# Altium PCB DM1092.PcbDoc (part 3 of 5)
Units mm, origin at the board's own origin, x right, y up, seen from the top; angles counter-clockwise.
Board outline 60 x 45 mm, 6 copper layers (Layer 1, Layer 2, Layer 3, Layer 4, Layer 5, Layer 6), stack 1.599 mm thick; 208 components, 159 nets, 838 pads, 480 vias.
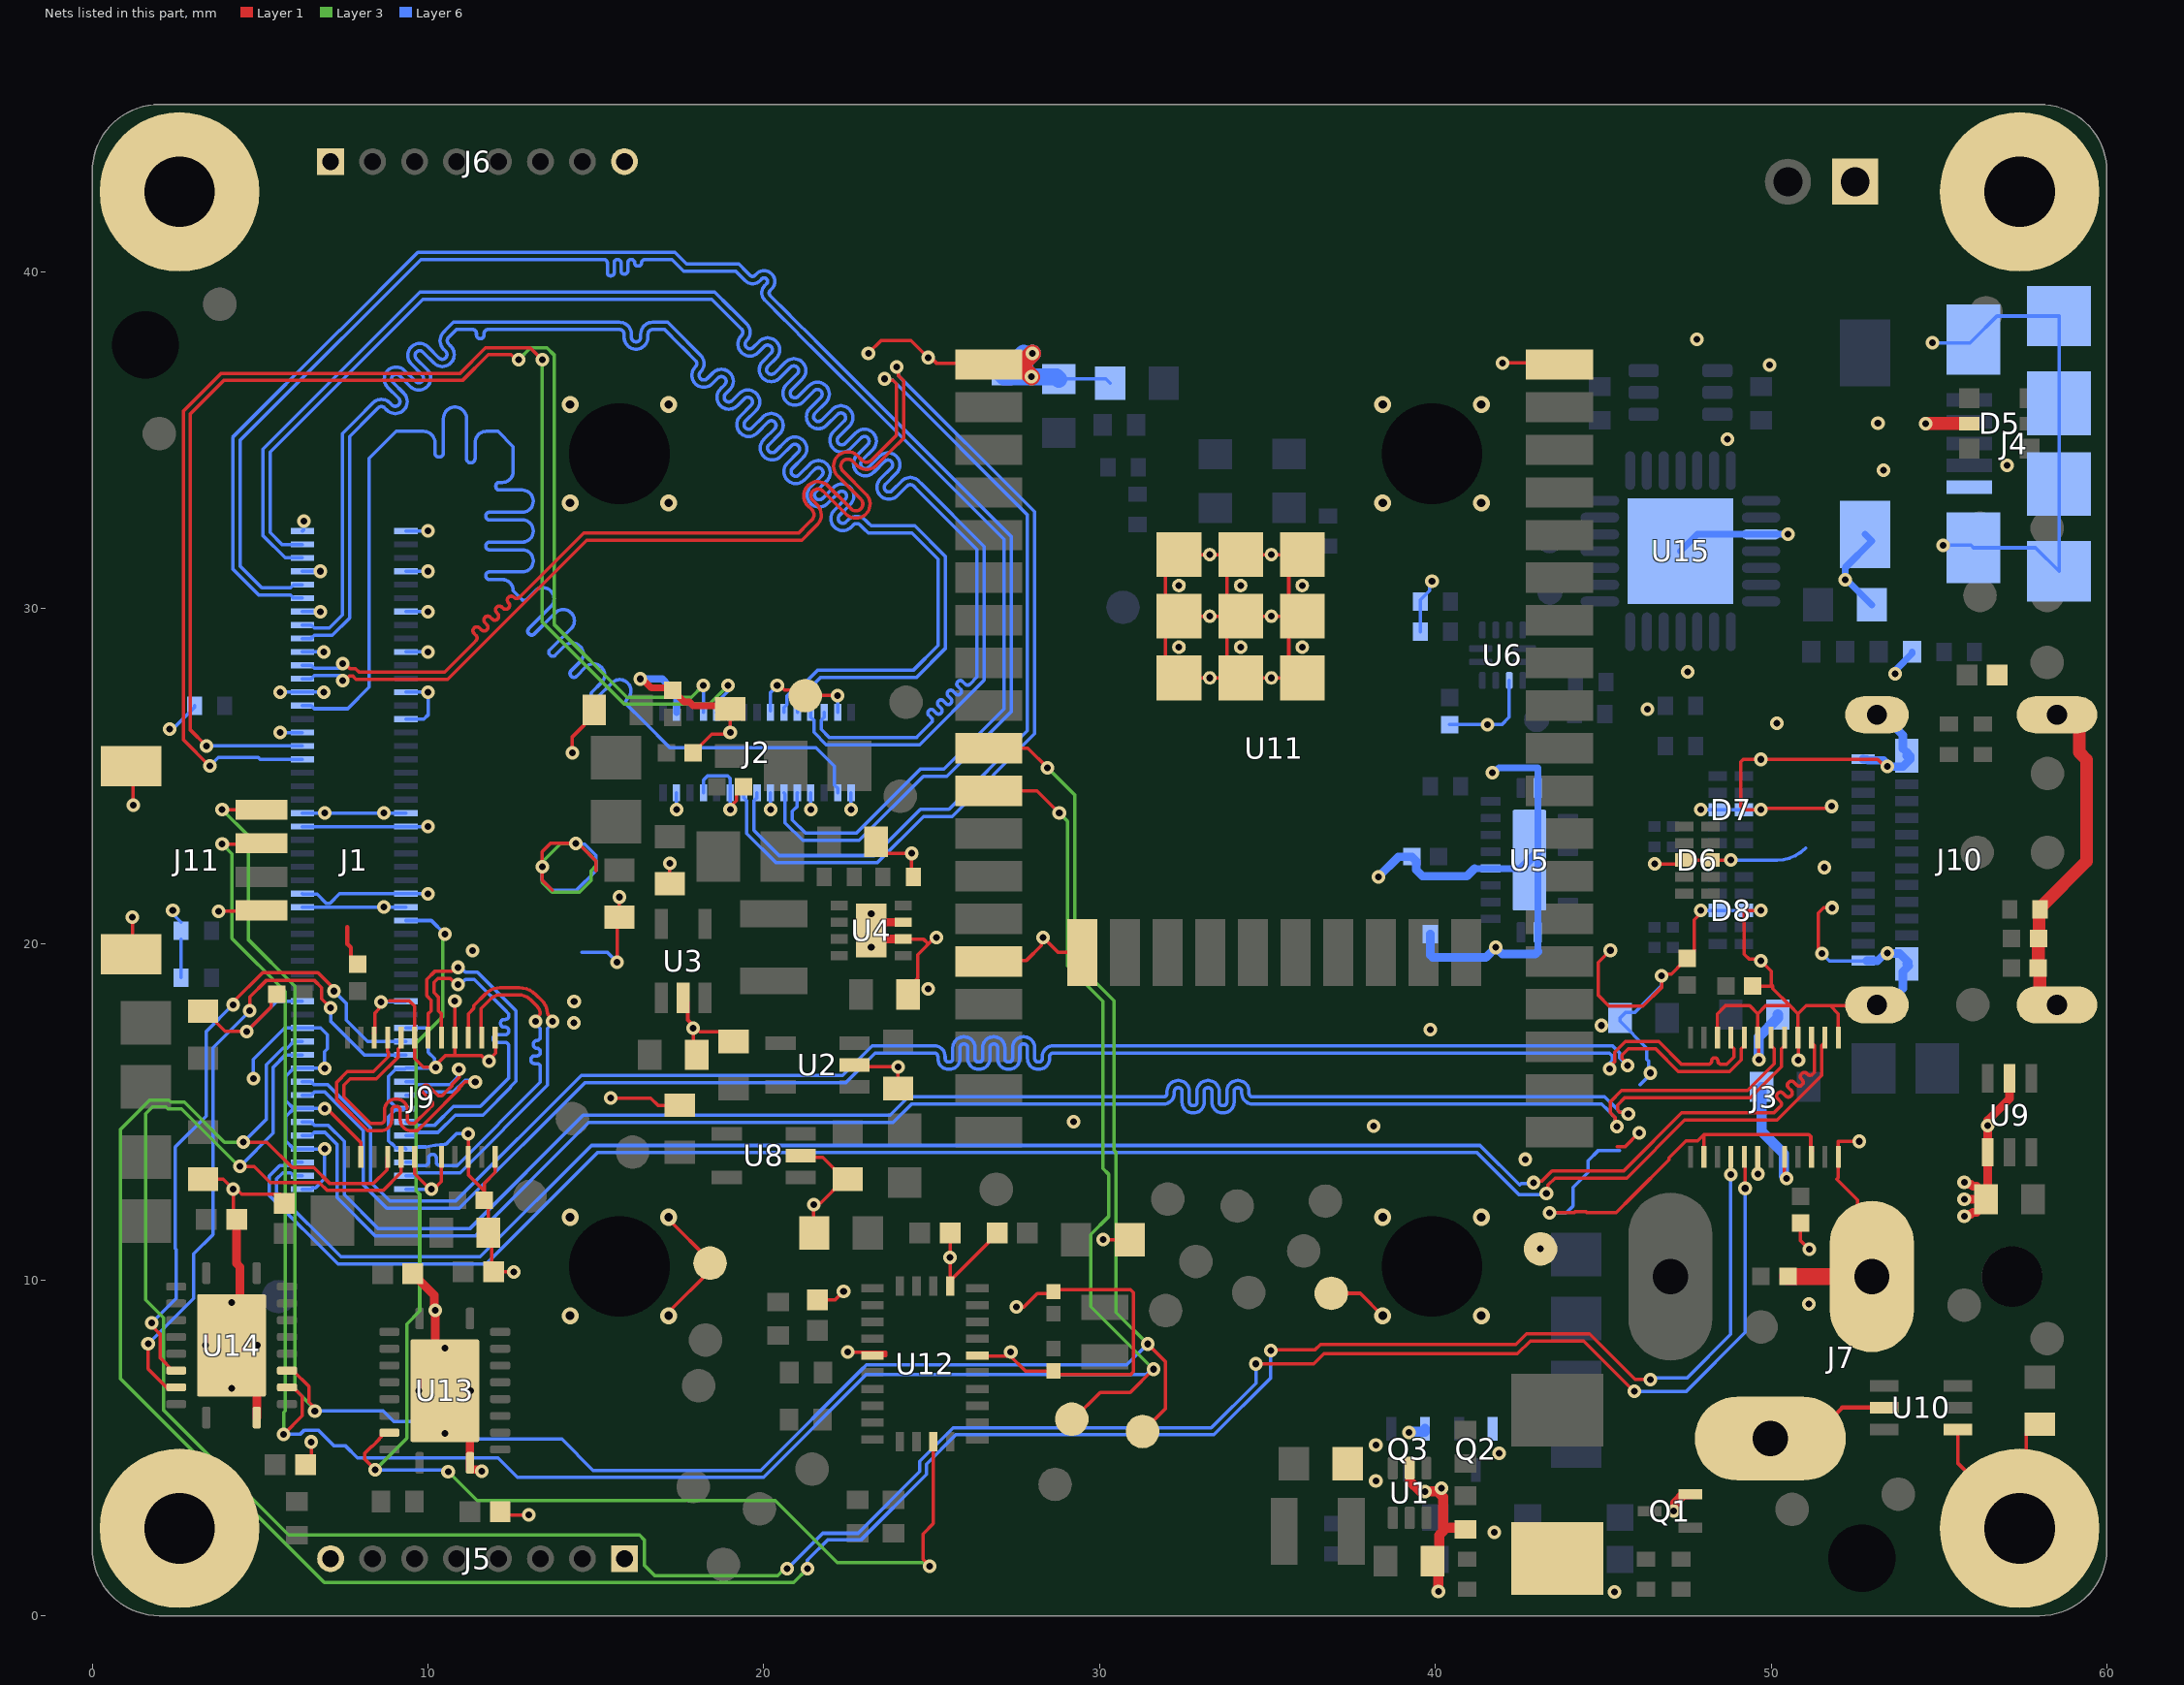
[diagram p7: the nets of this part, all layers, seen from the top]

## Via types
v1: diameter 0.406, hole 0.203, Layer 1 to Layer 6, tented both sides, 457 vias
v2: diameter 0.508, hole 0.254, Layer 1 to Layer 6, 16 vias
v3: diameter 0.508, hole 0.254, Layer 1 to Layer 6, tented both sides, 5 vias
v4: diameter 0.406, hole 0.203, Layer 1 to Layer 6, tented bottom, 2 vias

## Nets (pads, with @x,y where several pads share a name; then routed paths per layer and width w, separated by ;. In a path a pad name is that pad's centre, name@x,y a point inside that pad or via, vN(x,y) a via of type N, cw(c..) or ccw(c..) an arc to the next point about the centre after c; other vN are vias at no path point) (continued)
GND: B1.1 C1.1 C2.1 C3.1 C4.1 C5.1 C6.1 C7.1 C8.1 C9.1 C10.1 C11.1 C12.1 C13.1 C14.1 C15.1 C16.2 C17.1 C18.1 C19.1 C20.1 C21.1 C22.1 C23.1 C24.1 C25.1 C26.1 C27.1 C28.1 C29.1 C30.1 C35.1 C36.1 C38.1 C39.1 C40.1 C41.1 C42.1 C43.1 C44.1 C45.1 C46.2 C47.1 C48.1 C49.1 C50.1 C51.1 C52.1 C53.1 C54.1 C55.1 C56.1 C57.1 C58.1 D1.2 D5.2 D6.3 D6.8 D7.3 D7.8 D8.3 D8.8 J1.1 J1.2 J1.7 J1.8 J1.13 J1.14 J1.19 J1.20 J1.25 J1.26 J1.30 J1.31 J1.43 J1.44 J1.45 J1.46 J1.55 J1.56 J1.57 J1.58 J1.71 J1.72 J1.75 J1.76 J1.81 J1.82 J1.87 J1.88 J1.93 J1.94 J1.99 J1.100 J2.1 J2.4 J2.7 J2.10 J2.12 J2.14 J2.17 J2.24 J2.29 J3.3 J3.6 J3.9 J3.12 J3.13 J3.15 J3.17 J3.19 J3.23 J4.5 J4.6 J4.7 J4.8 J4.9 J4.10 J4.11 J5.1 J5.8 J6.1 J6.8 J7.2 J7.3 J8.P1 J9.3 J9.6 J9.9 J9.12 J9.13 J9.15 J9.17 J9.19 J9.23 J10.A1 J10.A12 J10.B1 J10.B12 J10.SH1 J10.SH2 J10.SH3 J10.SH4 J11.4 J11.S1 J11.S2 MH1.1 MH2.1 MH3.1 MH4.1 MP5.1 MP6.1 MP7.1 MP8.1 Q1.2 Q2.2 Q3.2 R1.2 R2.2 R6.1 R8.1 R9.2 R11.1 R12.2 R14.2 R16.2 R44.1 TP14.1 TP15.1 TP16.1 TP17.1 U1.2 U2.2 U3.2 U4.2 U4.3 U4.9 U5.5 U5.11 U5.20 U5.21 U6.10 U8.2 U9.2 U9.4 U10.2 U10.4 U11.1 U11.15 U11.38 U11.39 U12.2 U12.10 U12.25 U13.11 U13.21 U14.11 U14.21 U15.3 U15.29 | length 366.8
  Layer 1 w0.102: J11.S2@1.163,19.7 1.2,19.737 v1(1.2,20.8) ; J11.S1@1.163,25.3 1.221,25.241 v1(1.221,24.132) ; C24.1@3.3,13 3.9,13 v1(4.2,12.7) ; C26.1@3.3,18 3.4,18 3.686,17.714 3.686,17.674 3.961,17.4 v1(4.6,17.4) 5.332,18.132 5.332,18.332 C25.1@5.5,18.5 ; v1(3.764,20.979) 4.841,20.979 4.929,20.891 J11.4@5.037,21 ; C52.1@4.3,11.8 4.2,11.9 v1(4.2,12.7) ; C53.1@5.6,12.55 4.453,12.55 4.303,12.7 v1(4.2,12.7) ; C54.1@6.35,4.5 6.525,4.675 v1(6.525,5.175) ; v1(6.92,15.1) 6.989,15.1 8,14.089 J9.23@8,13.748 ; J9.3@8.382,17.348 8.424,17.39 8.424,17.78 8.424,17.949 8.536,18.061 8.536,18.215 v1(8.595,18.274) ; v1@8.595,18.298 8.596,18.3 v1@8.776,18.3 ; 8.846,18.305 9.447,18.305 9.6,18.152 J9.6@9.6,17.213 9.6,16.59 9.858,16.332 v1(10.236,16.332) 10.236,16.399 10.518,16.681 11.589,16.681 11.726,16.544 11.811,16.544 12.014,16.747 12.014,17.298 J9.12@12,17.312 ; J9.19@9.6,13.663 9.6,13.16 10.06,12.7 v1(10.1,12.7) 10.174,12.7 10.4,12.926 J9.17@10.4,13.663 J9.17@10.4,13.762 ; 10.8,16.691 v1(10.8,18.3) ; J9.9@10.8,17.089 J9.9@10.8,17.213 ; J9.15@11.2,13.663 11.2,13.121 11.678,12.644 ; J9.15@11.201,13.663 v1(11.201,14.351) ; C28.1@11.8,11.405 11.8,12.248 C27.1@11.678,12.37 11.678,12.644 ; C28.1@11.8,11.8 11.9,11.7 11.9,10.35 C49.1@11.95,10.3 ; C49.1@11.949,10.236 v1(12.558,10.236) v1@12.664,10.236 ; J9.13@12,13.663 12,13.201 11.678,12.878 11.678,12.644 ; C51.1@12.15,3.1 12.25,3 v1(13,3) ; 13.7,21.6 13.4,21.9 v1(13.4,22.3) 13.4,22.749 13.651,23 v1(14.4,23) 14.476,23 15,22.476 15,22.184 ; v1(14.3,25.7) 14.3,26.171 14.999,26.87 C6.1@14.999,26.97 ; v1(15.444,15.411) 16.637,15.411 16.849,15.2 C39.1@17.5,15.2 ; v1(15.634,19.462) 15.634,20.734 C20.1@15.7,20.8 v1(15.7,21.4) v1@15.7,21.5 ; v2(17.167,8.933) 17.167,9.043 18.4,10.275 TP15.1@18.4,10.5 18.4,10.567 17.167,11.8 v2(17.167,11.867) ; C2.1@17.2,21.8 v1(17.2,22.4) v1@17.2,22.5 ; U3.2@17.6,18.4 17.736,18.263 17.736,17.739 17.9,17.576 v1(17.9,17.5) ; C1.1@17.9,25.7 18.45,26.25 18.95,26.25 v1(19,26.3) C4.1@19,27 ; C19.1@18,16.7 17.9,16.8 v1(17.9,17.5) ; v1(19,24) 19,24.082 19.192,24.275 19.192,24.475 C3.1@19.401,24.684 ; C18.1@19.1,17.1 18.813,17.386 18.089,17.386 17.976,17.5 v1(17.9,17.5) ; v1(20.4,27.7) 20.482,27.7 20.615,27.568 21.06,27.568 TP17.1@21.232,27.396 21.234,27.398 22.198,27.398 v1(22.2,27.4) ; U8.2@21.1,13.7 21.154,13.646 21.754,13.646 C38.1@22.4,13 ; C42.1@21.5,11.4 21.488,11.412 v1(21.488,12.243) 21.541,12.296 21.696,12.296 C38.1@22.4,13 ; C46.2@21.6,9.4 22.125,9.4 v1(22.377,9.652) ; C38.1@22.5,13 C38.1@22.4,13 ; v1(22.504,7.849) 23.626,7.849 23.626,7.746 23.242,7.746 U12.10@23.237,7.75 ; U2.2@22.7,16.4 22.754,16.346 v1@24,16.346 ; v1(23.114,37.592) 23.495,37.973 24.384,37.973 v1(24.892,37.465) 24.974,37.465 25.14,37.299 26.261,37.299 U11.1@26.3,37.26 ; C22.1@23.347,23.046 23.347,22.987 23.634,22.7 v1(24.4,22.7) 24.4,22.05 R8.1@24.45,22 ; U4.9@23.45,20.15 23.2,20.4 U4.9@23.45,20.65 ; C17.1@24,15.7 v1@24,16.346 ; v1@24,16.4 v1@24,16.346 ; v1(24.003,16.346) v1@24,16.346 ; U4.2@24.15,20.15 24.75,20.15 24.9,20 ; C21.1@24.3,18.7 24.587,18.986 24.587,19.687 25.093,20.193 v1(25.146,20.193) ; U12.2@25.55,9.813 U12.2@25.55,9.975 ; C44.1@25.55,11.4 v1(25.55,10.667) U12.2@25.55,9.975 ; U11.15@25.901,19.879 26.3,19.48 26.336,19.516 27.826,19.516 28.263,19.953 28.263,20.135 v1(28.321,20.193) 28.764,19.75 U11.15@29.085,19.75 ; U12.25@26.363,7.75 26.379,7.734 27.241,7.734 v1@27.257,7.75 ; C45.1@26.95,11.4 26.703,11.153 26.703,11.129 U12.2@25.55,9.975 ; v1@27.25,7.75 v1@27.257,7.75 ; v1(27.356,7.849) v1@27.257,7.75 ; v1(27.526,9.195) 27.745,9.195 28.145,9.595 28.579,9.595 28.579,9.624 C48.1@28.605,9.65 ; C48.1@28.625,9.65 C48.1@28.605,9.65 ; v1(30.104,11.2) C43.1@30.9,11.2 ; TP16.1@36.9,9.6 37.766,9.6 v2(38.433,8.933) ; U1.2@39.235,4.394 39.243,4.386 39.243,4.013 ; v1(42,37.3) 43.26,37.3 U11.38@43.3,37.26 ; v1(43.4,12) 44.138,12 44.176,12.038 44.47,12.038 44.508,12 45.383,12 45.883,12.5 46.957,13.574 46.957,13.633 47.463,14.139 47.813,14.139 48,14.326 ; v1(45.212,19.812) 44.851,19.451 44.851,18.476 45.173,18.154 46.182,18.154 46.736,18.708 v1(46.736,19.05) ; 45.409,13.972 45.655,13.972 v1(46.065,14.382) ; v1(46.528,22.385) 47.295,22.385 D6.8@47.41,22.5 D6.3@48.19,22.5 v1(48.8,22.5) ; v1@46.794,19.108 47.029,19.108 47.38,19.459 47.38,19.694 47.616,19.694 47.707,19.786 47.707,20.725 47.9,20.918 v1(47.9,21) ; J3.23@48,13.663 48,14.326 ; J3.3@48.412,17.501 48.4,17.513 48.4,17.925 48.639,18.163 49.362,18.163 49.6,17.925 ; C7.1@49.45,18.75 50.05,18.75 ; J3.19@49.6,13.762 49.606,13.756 v1(49.606,13.157) ; J3.6@49.6,17.213 49.6,17.925 ; v1(49.632,16.56) J3.6@49.632,17.019 ; v1(49.7,21) 49.2,21 49.2,19.7 49.347,19.553 49.647,19.553 v1(49.7,19.5) 49.7,19.497 50.003,19.195 50.003,18.797 50.05,18.75 ; J3.17@50.394,13.762 50.394,13.168 50.458,13.104 v1(50.458,13.021) ; J3.9@50.8,17.213 50.8,17.925 ; v1(50.812,16.538) J3.9@50.812,17.213 ; C11.1@50.876,11.69 50.876,11.17 v1(51.133,10.913) ; J3.15@51.232,13.843 51.181,13.894 51.181,14.266 51.121,14.326 48,14.326 ; v1(51.514,19.718) 51.514,19.713 51.46,19.658 51.4,19.718 51.4,20.92 51.562,21.082 v1(51.816,21.082) ; v1(51.8,24.1) 51.869,24.1 51.808,24.04 49.74,24.04 v1(49.7,24) 49.2,24 49.1,24.1 49.1,25.426 49.174,25.5 v1(49.7,25.5) 53.171,25.5 53.382,25.289 v1(53.463,25.289) ; J3.12@52,17.05 52,17.925 51.761,18.163 ; v1(52.625,14.125) 52,14.125 52,13.05 51.95,13 52.571,12.379 52.571,10.554 J7.3@53.025,10.1 ; J10.SH4@53.151,18.186 53.128,18.163 51.761,18.163 ; U10.4@55.568,5.547 55.568,4.532 57.4,2.699 MP6.1@57.4,2.6 57.601,2.801 57.601,5.401 57.9,5.7 C14.1@58,5.7 ; v1@27.257,7.75 27.328,7.75 27.788,7.29 C47.1@28.625,7.29 28.738,7.176 30.918,7.176 31.014,7.272 31.014,9.618 30.918,9.713 28.668,9.713 C48.1@28.605,9.65 ; U11.39@31.965,29.76 U11.39@33.8,29.76 ; U11.39@31.965,29.76 31.965,27.925 U11.39@33.8,27.925 ; U11.39@31.965,29.76 31.965,31.595 U11.39@33.8,31.595 ; U11.39@33.8,27.925 U11.39@33.8,29.76 ; U11.39@33.8,27.925 35.635,27.925 U11.39@35.635,29.76 ; U11.39@33.8,29.76 U11.39@35.635,29.76 ; U11.39@33.8,29.76 U11.39@33.8,31.595 ; U11.39@33.8,31.595 35.635,31.595 U11.39@35.635,29.76 ; 49.6,17.925 49.839,18.163 50.561,18.163 ; 50.05,18.75 50.05,18.675 50.561,18.163 ; 50.561,18.163 50.8,17.925 ; 50.8,17.925 51.039,18.163 51.761,18.163
  Layer 1 w0.127: 7.6,20.5 7.6,20 7.703,19.897 7.703,19.596 C23.1@7.9,19.4 ; J7.2@50,5.275 51.194,5.275 52.116,6.197 U10.2@53.368,6.197
  Layer 1 w0.203: v1(16.323,27.896) 16.378,27.896 16.652,27.622 17.218,27.622 17.628,27.212 17.788,27.212 17.9,27.1 18.9,27.1 C4.1@19,27
  Layer 1 w0.254: C52.1@4.3,11.8 4.3,10.487 4.4,10.387 4.4,8.3 U14.21@4.15,8.05 4.9,7.3 U14.11@4.9,5.9 ; C50.1@9.543,10.185 10.19,9.538 10.19,9.094 v1@10.212,9.072 ; v1@10.197,9.119 v1@10.219,9.119 ; v1@10.219,9.186 v1@10.219,9.119 ; U13.21@10.45,6.65 11.25,5.85 U13.11@11.25,4.55 11.25,4.354 11.252,4.352 11.507,4.352 11.558,4.301 v1(11.6,4.301) ; U13.21@10.5,6.7 10.219,6.981 10.219,9.098 v1@10.219,9.119 ; U4.9@23.45,20.15 U4.2@24.15,20.15 ; U4.9@23.45,20.65 U4.3@24.15,20.65 ; v1(55.75,11.9) 55.803,11.954 55.953,11.954 56.013,12.014 56.113,12.014 56.45,12.35 C13.1@56.45,12.45 ; v1(55.75,12.4) C13.1@56.4,12.4 ; v1(55.75,12.9) 55.803,12.847 55.953,12.847 56.013,12.787 56.113,12.787 56.4,12.5 C13.1@56.4,12.4 ; U9.4@56.45,13.8 v1(56.45,14.6) ; U9.2@57.1,16 57.1,15.4 56.45,14.75 C13.1@56.45,12.45 ; C13.1@56.4,12.4 C13.1@56.45,12.45
  Layer 1 w0.3: 39.243,4.013 39.548,3.708 40.058,3.708 40.234,3.533 40.234,2.718 ; C15.1@39.98,1.702 40.118,1.84 40.118,2.399 40.234,2.515 40.234,2.718 ; v1(40.089,0.725) C15.1@40.089,1.354 ; R6.1@40.716,2.616 40.335,2.616 40.234,2.718 ; v1(47.1,3.116) 47.139,3.156 47.139,3.361 47.395,3.616 Q1.2@47.6,3.616
  Layer 1 w0.381: v1(54.6,35.5) D5.2@55.9,35.5 ; J10.SH3@58.511,18.186 58.334,18.186 58.001,18.518 58.001,19.232 C29.1@57.951,19.282 57.959,19.289 C30.1@57.959,20.163 57.984,20.188 57.984,20.995 58.043,21.054 58.043,21.111 59.394,22.462 59.394,25.489 59.178,25.705 59.178,26.494 58.846,26.826 J10.SH2@58.511,26.826
  Layer 1 w0.508: U11.1@26.3,37.26 26.31,37.27 27.681,37.27 v1(28,37.589) ; U11.1@27.483,37.26 27.605,37.26 v1(27.974,36.891) ; C40.1@50.5,10.1 J7.3@53.025,10.1
  Layer 3 w0.102: v1(13.4,22.3) 13.4,21.841 13.695,21.546 14.51,21.546 14.852,21.888 14.852,22.182 15,22.33 15,22.476 14.55,22.926 14.476,23 v1(14.4,23) 13.96,23 v1@13.4,22.44
  Layer 6 w0.102: v1(2.3,26.4) 2.4,26.4 3.05,27.05 R1.2@3.05,27.1 ; v1@2.4,20.897 R9.2@2.65,20.647 ; R2.2@2.65,19 2.646,19.004 2.646,20.143 R9.2@2.65,20.147 ; v1(4.6,17.4) 5.5,18.3 J1.71@6.26,18.3 ; v1(4.8,16) 4.8,16.57 5.73,17.5 6.8,17.5 7,17.3 7,16.878 6.92,16.798 v1(6.92,16.3) 6,16.3 5.759,16.059 5.759,15.341 J1.87@6,15.1 ; v1(5.6,26.3) J1.31@6.26,26.3 ; v1(5.6,27.5) v1(6.9,27.5) ; J1.99@6.26,12.7 6.52,12.7 6.559,12.739 6.649,12.739 6.92,13.01 v1(6.92,13.9) 6,13.9 5.759,14.141 5.759,14.859 J1.87@6,15.1 ; J1.57@6.26,21.1 7,21.1 v1(8.68,21.1) J1.58@9.34,21.1 ; J1.55@6.26,21.5 6.275,21.485 6.697,21.485 6.964,21.219 7.036,21.219 7.038,21.216 7.083,21.216 7.367,21.5 v1(10,21.5) ; J1.45@6.26,23.5 v1(10,23.5) ; J1.43@6.26,23.9 v1(6.92,23.9) v1(8.68,23.9) J1.44@9.34,23.9 ; J1.19@6.26,28.7 v1(6.9,28.7) ; J1.13@6.26,29.9 v1(6.8,29.9) ; J1.7@6.26,31.1 v1(6.8,31.1) ; J1.1@6.26,32.3 6.274,32.3 6.3,32.327 v1(6.3,32.6) ; v1(6.92,15.1) J1.87@6,15.1 ; v1(8.595,18.274) 8.608,18.287 9.327,18.287 J1.72@9.34,18.3 ; J1.100@9.34,12.7 v1(10.1,12.7) ; J1.94@9.34,13.9 9.313,13.927 9.053,13.927 8.933,14.047 8.922,14.047 8.827,14.142 8.827,14.858 9.042,15.074 9.313,15.074 J1.88@9.34,15.1 9.08,15.1 8.933,15.247 8.922,15.247 8.827,15.342 8.827,16.058 9.042,16.274 9.313,16.274 J1.82@9.34,16.3 10.204,16.3 v1(10.236,16.332) 10.193,16.375 10.193,16.589 10.008,16.775 10.008,17.44 9.948,17.5 J1.76@9.34,17.5 ; J1.30@9.34,26.7 9.88,26.7 10,26.82 v1(10,27.5) J1.26@9.34,27.5 ; J1.20@9.34,28.7 v1(10,28.7) ; J1.14@9.34,29.9 v1(10,29.9) ; J1.8@9.34,31.1 v1(10,31.1) ; J1.2@9.34,32.3 v1(10,32.3) ; J1.94@9.555,13.872 9.559,13.872 9.646,13.959 9.934,13.959 cw(c11.041,7.796) 10.501,14.035 ccw(c10.492,14.136) 10.564,14.064 10.851,14.351 v1(11.201,14.351) ; v1(13.4,22.3) 13.4,21.9 13.7,21.6 14.416,21.6 15,22.184 15,22.642 14.671,22.971 14.429,22.971 v1(14.4,23) ; 14.582,19.748 15.347,19.748 v1(15.634,19.462) ; v1(17.4,24) J2.14@17.4,24.5 ; J2.12@18.2,24.5 18.208,24.508 18.208,24.885 18.327,25.004 18.926,25.004 19,24.93 v1(19,24) ; v1(20.2,24) J2.7@20.2,24.5 ; J2.24@20.2,26.95 20.2,27.486 20.4,27.686 v1(20.4,27.7) ; v1(21.4,24) J2.4@21.4,24.5 ; J2.29@22.2,26.9 v1(22.2,27.4) ; v1(22.6,24) J2.1@22.6,24.5 ; C56.1@28.783,36.821 28.795,36.834 30.184,36.834 C57.1@30.315,36.703 ; R14.2@39.55,29.3 39.55,30.25 39.827,30.527 39.827,30.727 v1(39.9,30.8) ; C36.1@40.424,26.533 v1(41.552,26.533) 41.982,26.533 42.2,26.751 U6.10@42.2,27.85 ; v1(43.4,12) 43.9,12 44.1,12.2 44.1,12.75 44.55,13.2 44.55,13.55 44.858,13.858 45.481,13.858 ; v1(44.94,17.575) v1@44.998,17.518 ; v1@45.982,14.382 v1(46.065,14.382) v1@46.089,14.406 ; 46.1,15.809 46.404,16.114 v1(46.404,16.16) 46.351,16.214 46.351,16.516 46.3,16.567 46.3,16.9 45.5,17.7 C10.1@45.5,17.8 45.667,17.967 45.943,17.967 46.731,18.755 46.731,19.045 v1(46.736,19.05) ; v1(47.9,21) v1(49.7,21) ; v1(47.9,24) v1(49.7,24) ; v1(48.8,22.5) 50.172,22.5 ccw(c50.172,23.714) 51.031,22.856 ; v1(51.514,19.718) 51.733,19.5 52.735,19.5 J10.A12@52.741,19.506 ; v1(54.8,37.9) 55.925,37.9 J4.6@56.025,38 56.725,38.7 J4.8@58.575,38.7 J4.10@58.575,36.1 J4.11@58.575,33.7 J4.9@58.575,31.1 57.875,31.8 J4.7@56.025,31.8 55.948,31.877 v1(55.118,31.877)
  Layer 6 w0.2: 41.169,22.25 U5.21@42.55,22.25 ; v1@41.741,25.1 41.891,25.25 43.05,25.25 43.05,22.75 43.05,19.774
  Layer 6 w0.203: v1(16.323,27.896) 16.979,27.896 17.175,27.7 17.4,27.475 J2.17@17.4,26.9 ; U15.29@47.3,31.7 47.8,32.2 U15.3@49.7,32.2 v1(50.5,32.2) ; B1.1@52.8,32.2 53,32 52.2,31.2 v1(52.2,30.85) 52.25,30.85 C58.1@53,30.1 ; v1(53.691,28.052) 53.73,28.091 53.73,28.18 54.2,28.65 R44.1@54.2,28.7
  Layer 6 w0.25: J10.A1@52.741,25.506 52.747,25.5 52.85,25.5 52.875,25.475 53.348,25.475 53.498,25.324 v1(53.463,25.289) ; J10.A12@52.85,19.5 53.17,19.5 53.391,19.72 53.463,19.72 v1(53.463,19.726) ; J10.SH1@53.151,26.826 53.321,26.826 53.925,26.222 53.925,26.121 53.925,25.825 J10.B12@54.092,25.658 ; v1@53.572,19.72 53.83,19.72 J10.B1@54.092,19.458 ; v1@53.572,25.283 53.925,25.283 54.15,25.508 54.15,25.6 54.047,25.6 J10.B12@54.041,25.606 ; 53.925,18.675 53.925,19.175 54.099,19.349 J10.B1@54.041,19.406
  Layer 6 w0.254: v1(38.3,22) 38.9,22.6 C35.1@39.3,22.6 39.433,22.467 39.433,22.207 39.62,22.02 40.939,22.02 41.169,22.25 ; R12.2@39.85,20.3 39.85,19.674 39.924,19.6 41.5,19.6 v1(41.8,19.9) 42,19.7 42.976,19.7 43.05,19.774 ; v1(41.7,25.1) v1@41.741,25.1 ; U5.21@42.55,22.25 U5.21@42.8,22.5 U5.21@43.05,22.75
  Layer 6 w0.3: v1(39.218,5.461) 39.238,5.481 39.692,5.481 Q3.2@39.692,5.563
  Layer 6 w0.305: v1(49.632,16.56) 49.632,17.232 50.2,17.8 C8.1@50.2,17.9 ; C12.1@49.719,15.748 49.719,14.417 49.8,14.336 50.381,13.756 50.381,13.099 v1(50.458,13.021)
  Layer 6 w0.508: 27.739,37.589 27.156,37.006 27.156,36.966 27.12,36.93 27.156,36.894 27.971,36.894 v1(27.974,36.891) 28.713,36.891 C56.1@28.783,36.821 ; v1@27.895,36.97 27.773,37.092 27.773,37.362 v1(28,37.589)
  other v1: 45.339,0.711 41.758,2.489 39.692,3.694 40.182,3.794 38.227,4.013 41.904,4.841 38.227,5.078 10.212,9.094 51.128,9.283 43.132,10.923 42.678,13.59 38.161,14.576 29.224,14.708 11.818,16.519 39.856,17.453 14.339,17.651 14.351,18.288 24.892,18.669 11.324,19.807 2.4,21 51.586,22.281 50.176,26.579 46.322,26.994 47.509,28.103 53.347,34.107 57.022,34.253 48.695,35.036 53.18,35.506 49.948,37.244 47.789,38.006
  other v2: 14.233,8.933 41.367,8.933 14.233,11.867 38.433,11.867 41.367,11.867 14.233,33.133 17.167,33.133 38.433,33.133 41.367,33.133 14.233,36.067 17.167,36.067 38.433,36.067 41.367,36.067
  other v4: 23.2,19.9 23.2,20.9
GPIO8/SPI0_CS_1: J1.60 U12.18 U13.8 | length 41.6
  Layer 1 w0.102: v1(8.432,4.345) 8.122,4.655 8.122,4.842 8.327,5.046 8.347,5.046 8.554,5.253 8.554,5.273 8.607,5.326 8.607,5.381 8.675,5.45 U13.8@8.85,5.45 ; v1(24.943,1.473) 24.943,1.482 24.74,1.685 24.74,2.435 25.05,2.746 U12.18@25.05,5.187
  Layer 3 w0.102: v1(8.432,4.345) 9.371,5.284 9.371,8.688 9.754,9.071 9.754,12.545 9.646,12.653 9.646,17.047 10.446,17.847 10.446,20.246 v1(10.5,20.3) ; v1(10.599,4.292) 11.462,3.429 20.345,3.429 22.19,1.584 24.749,1.584 24.86,1.473 v1(24.943,1.473)
  Layer 6 w0.102: v1(8.432,4.345) v1@10.737,4.345 ; J1.60@9.34,20.7 10.1,20.7 v1(10.5,20.3)
I2C1_SCL: J1.35 J2.20 | length 40.9
  Layer 1 w0.102: v1(3.5,25.299) 2.711,26.087 2.711,35.864 3.83,36.982 10.942,36.982 11.715,37.756 13.044,37.756 v1(13.4,37.4)
  Layer 3 w0.102: v1(13.4,37.4) 13.4,29.59 15.846,27.144 18.381,27.144 v1(18.937,27.7)
  Layer 6 w0.102: v1(3.5,25.299) 3.755,25.554 4.947,25.554 5.001,25.5 J1.35@6.26,25.5 ; J2.20@18.6,26.9 18.636,26.936 18.636,27.236 18.937,27.537 v1(18.937,27.7)
I2C1_SDA: J1.33 J2.19 | length 39.2
  Layer 1 w0.102: v1(3.4,25.899) 2.913,26.387 2.913,35.78 3.913,36.781 11.025,36.781 11.798,37.554 12.475,37.554 12.615,37.414 v1@12.776,37.414
  Layer 3 w0.102: v1(12.7,37.4) 13.054,37.754 13.547,37.754 13.754,37.547 13.754,29.521 15.929,27.346 17.846,27.346 v1(18.2,27.7)
  Layer 6 w0.102: v1(3.4,25.899) J1.33@6.26,25.9 ; J2.19@18.2,26.9 v1(18.2,27.7)
I2C2_SCL: J1.77 J3.21 J9.21 | length 82.2
  Layer 1 w0.102: v1(4.5,14.1) 5.204,14.1 5.96,13.344 6.602,13.344 7.084,12.863 8.363,12.863 8.776,13.276 8.776,13.623 8.776,13.639 J9.21@8.8,13.663 ; v1(35.1,7.9) 35.125,7.925 36.424,7.925 36.576,8.077 42.398,8.077 42.712,8.391 44.594,8.391 45.949,7.036 v1(46.406,7.036) ; v1(48.793,13.132) 48.793,13.755 J3.21@48.8,13.762
  Layer 3 w0.102: v1(4.5,14.1) 3.938,14.1 2.746,15.292 2.345,15.292 2.282,15.356 1.714,15.356 0.839,14.48 0.839,7.059 6.911,0.986 20.886,0.986 v1(21.3,1.4)
  Layer 6 w0.102: v1@4.5,13.982 v1(4.5,14.1) 5.182,14.782 5.182,16.41 5.674,16.902 5.802,16.902 6,17.1 J1.77@6.26,17.1 ; v1(21.3,1.4) 21.3,1.657 21.35,1.707 21.897,2.253 22.889,2.253 24.843,4.207 24.843,4.514 25.719,5.39 33.407,5.39 35.1,7.083 v1(35.1,7.9) ; v1(46.406,7.036) 46.444,7.074 47.491,7.074 48.793,8.377 v1(48.793,13.132)
I2C2_SDA: J1.79 J3.20 J9.20 | length 82.5
  Layer 1 w0.102: v1(4.397,13.379) 4.821,13.379 5.298,12.902 6.759,12.902 7,12.661 8.661,12.661 9.2,13.2 J9.20@9.2,13.663 ; v1(34.659,7.5) 36.38,7.5 36.678,7.798 42.443,7.798 42.827,8.182 44.422,8.182 v1(45.923,6.68) ; v1(49.225,12.725) J3.20@49.225,13.749
  Layer 3 w0.102: v1(4.397,13.379) 4.374,13.379 2.662,15.091 2.262,15.091 2.198,15.154 1.798,15.154 1.59,14.947 1.59,9.407 2.129,8.869 2.129,6.121 5.85,2.4 16.3,2.4 16.45,2.25 16.45,1.491 16.753,1.188 20.409,1.188 20.621,1.4 v1(20.7,1.4)
  Layer 6 w0.102: v1(4.397,13.379) 5.384,14.365 5.384,16.326 5.758,16.7 J1.79@6.26,16.7 ; v1(20.7,1.4) 21.755,2.455 22.805,2.455 24.641,4.291 24.641,4.597 25.635,5.591 33.324,5.591 34.659,6.927 v1(34.659,7.5) ; v1(45.923,6.68) 47.473,6.68 49.225,8.433 v1(49.225,12.725)
I2C3_SCL_1V8: J1.78 U14.7 | length 19
  Layer 1 w0.102: v1(1.775,8.722) 1.775,8.639 1.879,8.536 1.879,8.526 2.03,8.374 2.03,7.671 2.402,7.3 U14.7@2.5,7.3 ; v1(4.194,18.195) 4.194,18.266 5.078,19.151 6.722,19.151 7.2,18.672 v1(7.2,18.6)
  Layer 6 w0.102: v1(1.775,8.722) 2.5,9.447 2.5,10.904 2.472,10.932 2.472,13.959 3.394,14.881 3.394,17.396 v1(4.194,18.195) ; v1(7.2,18.6) 7.567,18.233 7.567,17.733 8.2,17.1 J1.78@9.34,17.1
I2C3_SCL_3V3: J11.1 TP43.1 U11.10 U14.14 | length 72.7
  Layer 1 w0.102: v1(3.871,24) J11.1@5.037,24 ; U14.14@5.98,7.3 6.452,6.828 6.452,6.355 6.629,6.178 v1(6.629,6.096) ; U11.10@26.3,25.83 27.867,25.83 v1(28.446,25.251) ; TP43.1@31.279,5.486 31.956,6.163 31.956,7.57 v1(31.435,8.091)
  Layer 3 w0.102: v1(3.871,24) 4.658,23.214 4.658,20.123 6.033,18.748 6.033,6.747 6.629,6.151 v1(6.629,6.096) ; v1(28.446,25.251) 29.269,24.428 29.269,19.474 30.433,18.309 30.433,13.86 30.494,13.8 30.494,9.033 v1(31.435,8.091)
  Layer 6 w0.102: v1(6.629,6.096) 8.661,6.096 8.979,5.779 10.858,5.779 11.379,5.258 13.99,5.258 14.919,4.329 19.913,4.329 22.962,7.378 22.964,7.378 23.053,7.468 30.811,7.468 v1(31.435,8.091)
I2C3_SDA_1V8: J1.80 U14.8 | length 19.6
  Layer 1 w0.102: v1(1.665,8.096) 1.665,7.349 2.264,6.75 2.314,6.8 U14.8@2.5,6.8 ; v1(4.691,18.009) 4.691,18.424 5.178,18.911 6.622,18.911 6.832,18.701 6.832,18.368 v1(7.1,18.1)
  Layer 6 w0.102: v1(1.665,8.096) 3.021,9.452 3.021,10.773 3.596,11.348 3.596,16.915 v1(4.691,18.009) ; v1(7.1,18.1) 7.1,17.7 8.1,16.7 J1.80@9.34,16.7
I2C3_SDA_3V3: J11.2 TP46.1 U11.11 U14.13 | length 73.3